# Allegro board BRD-05058-01_B04.brd (continued)
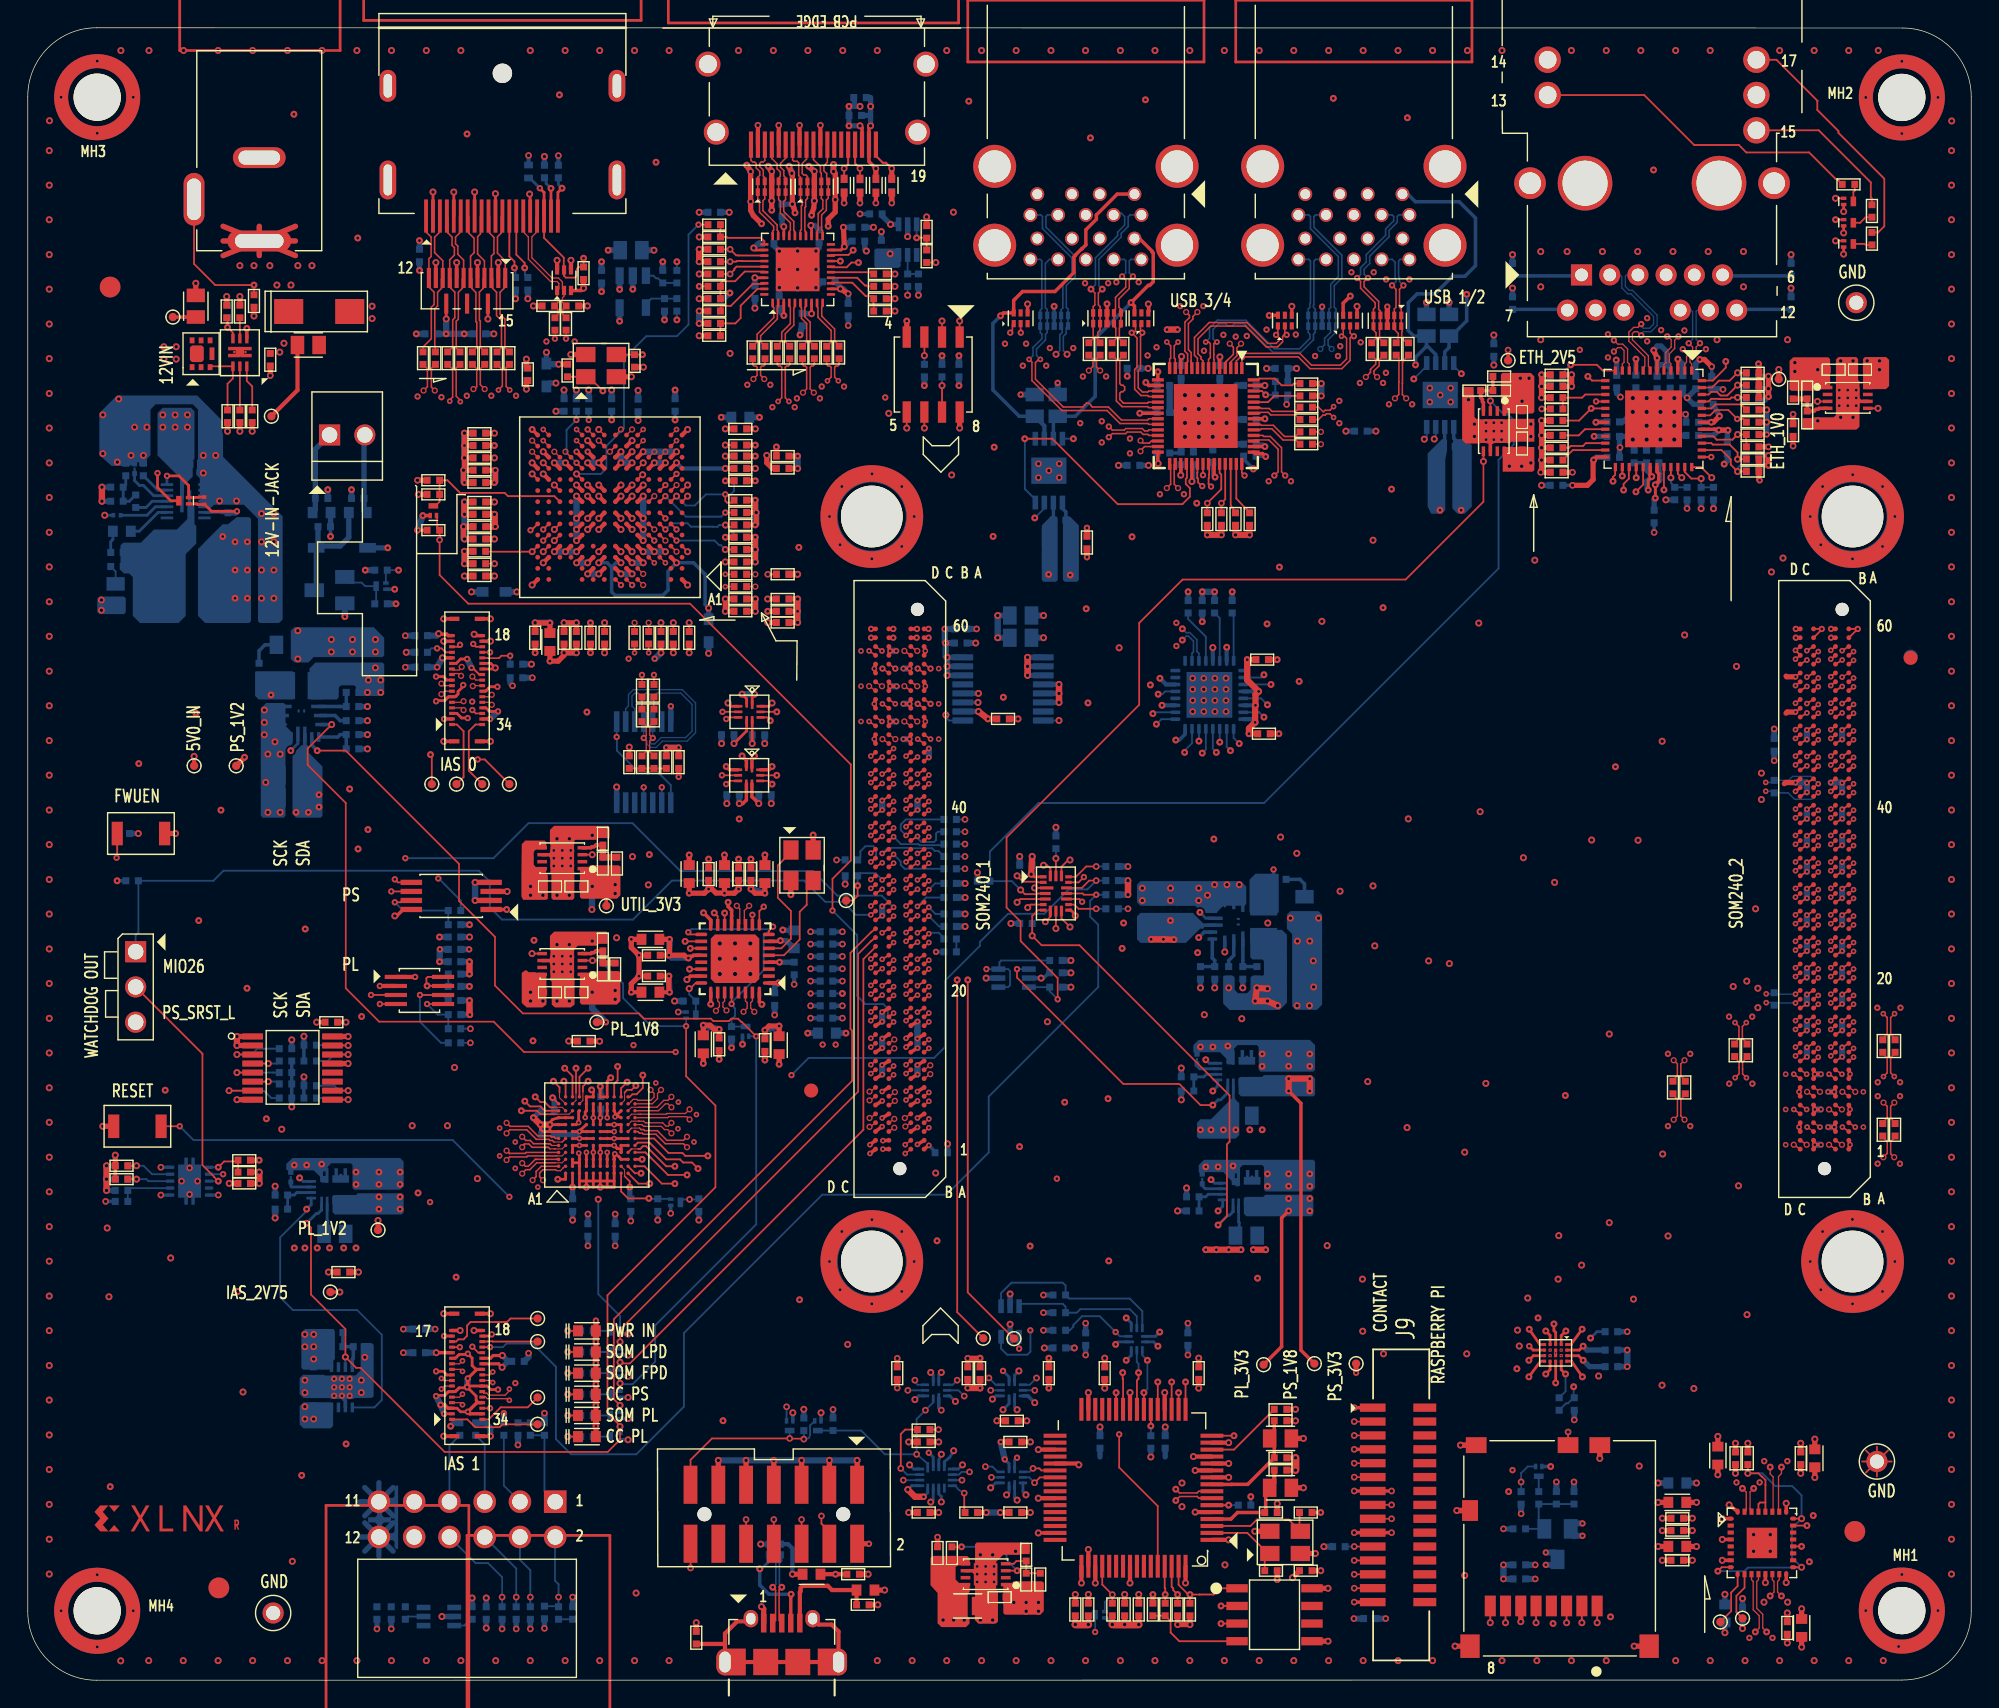
[diagram p0: board, top side]
## Copper pours and planes (outline as drawn; the poured copper is in the pictures) (continued)
(no net) on BOTTOM: 73.05,83.17 73.68,83.8 74.06,83.8 74.19,83.68 74.19,79.23 74.06,79.1 73.18,79.1 73.05,79.23
(no net) on BOTTOM: 19.58,19.74 19.86,20.01 21.81,20.01 21.99,19.83 21.99,19.19 22,18.31 21.82,18.13 19.86,18.13 19.58,18.41
(no net) on BOTTOM: 19.84,22 21.35,22 21.4,21.94 23.6,21.94 23.98,22.33 23.98,24.23 24.03,24.28 24.78,24.28 24.92,24.14 24.92,20.46 24.79,20.33 23.52,20.32 23.44,20.24 21.84,20.24 21.77,20.32 19.86,20.32 19.58,20.6 19.58,21.77
(no net) on BOTTOM: 75.08,83.8 74.7,83.8 74.57,83.68 74.57,79.23 74.7,79.1 75.59,79.1 75.72,79.23 75.72,83.17
(no net) on BOTTOM: 11.5,83.63 11.5,84.77 11.63,84.9 12.01,84.52 12.01,83.25 12.14,83.12 12.14,81.85 11.38,81.09 11.38,76.65 10.87,76.14 8.08,76.14 7.57,76.65 7.57,79.44 7.31,79.69 6.93,79.69 6.68,79.95 6.68,81.73 6.87,81.92 8.14,81.92 9.09,82.87 10.74,82.87
(no net) on BOTTOM: 88.06,53.96 88.14,54.04 90.35,54.04 90.71,53.68 90.71,48.79 90.19,48.27 86.57,48.27 86.11,48.73 86.11,50.68 86.17,50.74 86.82,50.74 86.94,50.61 86.94,49.72 87.2,49.47 87.83,49.47 88.09,49.72 88.09,50.61 88.21,50.74 88.97,50.74 89.05,50.81 89.05,51.78 88.93,51.9 88.22,51.9 88.06,52.06
(no net) on BOTTOM: 19.07,70.63 16.64,70.63 16.38,70.88 16.38,72.61 16.43,72.66 19.07,72.66 19.13,72.6 19.13,70.67
(no net) on BOTTOM: 91.08,53.74 91.08,48.53 91.34,48.27 92.86,48.27 93.24,48.66 93.24,55.13 92.99,55.39 90.96,55.39 90.7,55.13 90.7,54.12
(no net) on BOTTOM: 100.85,84.51 100.85,88.34 101.88,89.38 102.24,89.33 102.24,88.57 102.12,87.94 102.12,87.94 102.12,84.25 101.86,84 101.1,84
(no net) on BOTTOM: 86.89,44.34 86.51,44.34 86.38,44.46 86.38,44.72 85.88,45.23 84.43,45.23 84.43,44.97 83.97,44.97 83.97,45.73 84.35,46.12 92.35,46.12 92.73,45.73 92.73,43.96 92.61,43.83 88.8,43.83 88.67,43.96 88.67,45.61 88.54,45.73 87.15,45.73 86.89,45.48
(no net) on BOTTOM: 104.02,88.95 103.47,89.38 102.89,89.38 102.62,89.11 102.62,84.38 103,84 103.51,84 104.02,84.51
(no net) on BOTTOM: 22.02,34.94 23.64,34.94 23.77,35.07 26.95,35.07 27.07,34.94 27.07,33.67 26.95,33.54 22.12,33.54 21.95,33.72 21.95,34.86
(no net) on BOTTOM: 20.37,70.62 20.3,70.7 20.3,72.86 20.4,72.96 20.72,73.29 25.55,73.29 25.68,73.17 25.68,71.01 25.55,70.88 23.65,70.88 23.65,71.52 23.52,71.64 22.56,71.64 22.41,71.49 22.41,70.78 22.25,70.62
(no net) on BOTTOM: 17.17,70.37 16.79,69.99 16.79,62.24 16.91,62.12 18.44,62.12 18.57,62.24 18.57,66.94 19.07,67.45 19.07,68.21 18.57,68.72 18.57,70.25 18.44,70.37
(no net) on BOTTOM: 22.12,25.16 21.99,25.29 19.96,25.29 19.71,25.03 19.71,22.49 19.84,22.37 21.99,22.37 22.12,22.49
(no net) on BOTTOM: 61.11,103.11 62.76,103.11 62.89,102.98 62.89,101.84 62.76,101.71 61.11,101.71 60.98,101.84 60.98,102.98
(no net) on BOTTOM: 88.09,55.26 88.01,55.33 88.01,57.65 88.44,58.08 90.07,58.08 90.12,58.03 90.12,55.33 90.07,55.26
(no net) on BOTTOM: 18.36,76.39 18.11,76.14 16.71,76.14 16.58,76.27 16.58,83.63 15.57,84.65 13.41,84.65 13.16,84.39 12.39,84.39 12.39,86.55 12.14,86.81 12.14,87.82 12.27,87.95 12.27,91.51 11.89,91.89 9.22,91.89 8.84,91.51 8.84,88.2 8.58,87.95 8.58,87.44 6.04,87.44 5.15,88.23 5.15,91.25 6.42,92.52 12.19,92.52 14.07,90.65 14.07,88.11 18.36,83.81
(no net) on BOTTOM: 16.08,83.63 15.95,83.76 15.06,83.76 14.43,83.25 14.04,83.25 12.27,81.47 12.27,76.65 12.77,76.14 15.95,76.14 16.08,76.27
(no net) on BOTTOM: 87.71,34.81 89,34.81 89.16,34.96 92.46,34.96 92.61,34.81 92.61,33.54 92.48,33.41 87.78,33.41 87.61,33.59 87.61,34.71
(no net) on BOTTOM: 87.78,57.16 87.4,57.55 80.16,57.55 79.91,57.29 79.91,56.02 80.16,55.77 84.1,55.77 84.61,55.26 85.62,55.26 86.13,55.77 87.65,55.77 87.78,55.89
(no net) on BOTTOM: 87.27,35.57 86.82,35.57 86.74,35.62 86.74,35.94 86.12,36.59 84.73,36.59 84.73,36.34 84.48,36.34 84.43,36.51 84.35,36.59 84.35,37.1 84.73,37.48 92.61,37.48 92.73,37.35 92.73,35.45 92.48,35.19 89.18,35.19 89.05,35.32 89.05,36.97 88.92,37.1 87.53,37.1 87.33,36.89 87.33,35.62 ; 1 cut-out
(no net) on BOTTOM: 87.27,41.54 87.27,39.26 87.02,39 84.35,39 84.22,39.13 84.22,40.15 84.48,40.4 85.24,40.4 86.89,42.05 87.02,41.8
(no net) on L05_SIG: 51.79,101.03 52.95,102.19 57.24,102.19 58.57,103.52 59.97,103.52 60.86,102.63 60.86,100.95 61.11,100.69 62.38,100.69 63.4,101.71 63.4,110.22 62.51,111.11 62.51,114.16 62.38,114.28 48.28,114.28 48.16,114.16 48.16,107.08 47.52,106.44 47.52,101.23 47.78,100.98 48.16,100.98 48.2,101.03
DP_3V3 on L12_SIG: 37.09,107.75 37.35,108 39.25,108 42.43,104.83 42.43,101.91 43.06,101.27 43.06,99.49 41.92,98.35 40.01,98.35 37.09,101.27
ETH_1V0 on TOP (solid shape): 129.84,95.14 129.84,92.98 129.83,92.97 129.31,92.97 129.18,92.94 129.09,92.85 127.04,92.85 126.92,92.98 126.92,95.01 127.17,95.26 129.71,95.26
ETH_1V0 on L10_SIG: 130.09,87.55 125.65,83.1 107.23,83.1 106.6,83.74 106.6,93.9 107.87,95.17 107.87,97.07 108.51,97.71 122.42,97.71 123.96,96.17 128.46,96.17 130.09,94.53
ETH_2V5 on TOP (solid shape): 108.53,93.89 108.53,91.35 108.41,91.22 106.25,91.22 106.24,91.23 106.24,91.75 106.21,91.87 106.12,91.97 106.12,94.01 106.25,94.14 108.28,94.14
ETH_2V5 on L05_SIG: 119.66,91.68 105.93,91.63 104.92,92.89 104.93,95.9 106.04,97.01 125.93,97.01 127.02,95.92 127.02,92.44 126.26,91.68
HDMI_5V0 on BOTTOM (solid shape): 62.85,103.01 62.85,102.14 62.86,102.07 62.89,101.99 62.89,101.84 62.76,101.71 61.11,101.71 60.98,101.84 60.98,102.98 61.11,103.11 62.76,103.11
HDMI_5V0 on L05_SIG (solid shape): outline of 2401 points within 47.52,100.69 63.4,114.28
IAS_2V75 on BOTTOM (solid shape): 22.12,25.16 22.12,23.11 22.03,23.02 22,22.9 22,22.37 21.99,22.37 19.84,22.37 19.71,22.49 19.71,25.03 19.96,25.29 21.99,25.29
IAS_2V75 on L10_SIG: 34.04,38.79 34.04,23.68 32.65,22.28 18.17,22.28 16.9,23.55 16.9,36.12 21.34,40.57 21.34,47.42 20.45,48.31 18.17,48.31 16.9,49.58 16.9,68.13 25.11,76.34 32.7,76.34 33.4,75.64 33.49,75.64 33.49,68.07 24.26,58.85 24.26,53.01 29.76,47.51 29.76,43.07
Net_46 on TOP (solid shape): 13.43,11.88 13.84,12.59 14.1,12.59 13.56,11.68 14.14,10.72 13.88,10.72 13.43,11.48 12.99,10.72 12.74,10.72 13.31,11.68 12.77,12.59 13.03,12.59
Net_47 on TOP (solid shape): 9.71,10.92 10.48,10.92 10.48,10.72 9.49,10.72 9.49,12.59 9.71,12.59
Net_49 on TOP (solid shape): 12.37,11.15 12.37,12.59 12.6,12.59 12.6,10.72 12.39,10.72 11.43,12.16 11.43,10.72 11.21,10.72 11.21,12.59 11.41,12.59
Net_51 on TOP (solid shape): 8.11,11.88 8.51,12.59 8.77,12.59 8.23,11.68 8.81,10.72 8.55,10.72 8.11,11.48 7.67,10.72 7.41,10.72 7.99,11.68 7.45,12.59 7.71,12.59
Net_52 on TOP (solid shape): 5.41,12.12 5.81,11.65 5.41,11.18 5.81,10.72 5.22,10.72 4.81,11.18 5.22,11.65 4.81,12.12 5.22,12.59 5.81,12.59
PL_1V2 on BOTTOM (solid shape): 27.07,34.94 27.07,33.67 26.95,33.54 22.12,33.54 21.95,33.72 21.95,34.86 22.02,34.94 23.64,34.94 23.77,35.07 26.95,35.07
PL_1V2 on BOTTOM: 41.79,42.34 41.79,41.2 42.17,40.82 43.31,40.82 43.44,40.95 43.44,41.71 42.68,42.47 41.92,42.47
PL_1V2 on BOTTOM: 39.12,39.8 36.71,39.8 36.58,39.68 36.58,38.92 37.35,38.15 39.76,38.15 39.89,38.03 39.89,37.77 40.01,37.65 41.92,37.65 42.04,37.77 42.04,37.9 42.17,38.03 42.55,38.03 42.68,38.15 42.68,40.19 42.55,40.31 42.3,40.31 42.17,40.44 42.17,40.82 42.3,40.95 43.44,40.95 44.08,40.31 44.08,38.28 42.81,37.01 42.81,33.84 42.55,33.33 40.14,33.33 39.89,33.58 39.89,35.23 39.76,35.49 39.76,35.74 38.49,37.01 36.96,37.01 35.57,38.41 35.57,39.55 35.31,39.8 35.31,40.19 35.95,40.82 36.58,40.82 36.96,40.44 38.23,40.44 39.38,41.58 39.38,42.34 39.76,42.73 40.52,42.73 41.41,43.61 42.43,43.61 42.68,43.36 42.68,42.47 42.55,42.34 41.03,42.34 40.9,42.22 40.9,41.33 40.39,40.82 40.39,40.44 40.27,40.31 40.01,40.31 39.89,40.44 39.5,40.44 39.25,40.19 39.25,39.93
PL_1V2 on L05_SIG: 28.98,73.67 34.06,73.67 35.96,71.77 35.96,67.96 37.47,66.45 37.47,48.57 39.38,46.66 42.55,46.66 45.09,44.12 45.09,32.69 35.57,23.17 35.57,21.75 34.21,20.39 33.37,20.39 32.39,19.41 32.39,18.09 31.76,17.45 28.58,17.45 27.31,16.18 27.31,10.47 28.98,8.9 72.1,8.9 83.19,19.99 116.21,19.99 118.75,21.9 118.75,67.43 120.35,69.02 133.86,69.02 138.44,64.44 138.44,20.33 138.22,20.33 138.44,20.12 138.44,9.83 130.18,1.58 10.17,1.58 1.91,9.83 1.91,68.25 6.36,72.7 27.95,72.7 ; 2 cut-outs
PL_1V2 on L08_PWR: 51.44,39.04 64.78,39.04 66.68,37.14 66.68,30.14 59.07,22.53 45.73,22.53 45.09,21.9 33.03,21.9 32.39,22.53 32.39,26.34 31.76,26.98 26.68,26.98 26.07,27.75 26.04,32.69 24.53,34.3 24.53,34.94 24.77,35.23 24.77,37.77 26.04,39.04 29.24,39.04 36.2,32.07 36.2,32.06 36.84,31.42 47,31.42 47.63,32.06 47.63,35.23 ; 1 cut-out
PL_1V8 on TOP (solid shape): 42.7,50.94 42.7,48.91 42.44,48.66 39.9,48.66 39.77,48.78 39.77,50.94 39.78,50.95 40.3,50.95 40.43,50.98 40.52,51.07 42.57,51.07
PL_1V8 on L07_PWR: 37.47,60.63 43.19,54.92 43.23,54.66 43.57,54.31 43.57,48.69 41.92,47.04 34.93,47.04 33.03,48.95 33.03,55.17 24.65,63.55 24.65,72.44 26.8,74.6 36.84,74.6 37.47,73.97
PL_1V8 on L08_PWR: 75.57,58.09 76.21,58.73 79.38,58.73 80.02,58.09 80.02,30.15 81.92,28.25 118.22,28.25 126.37,19.99 137.17,19.99 138.44,18.72 138.44,9.83 130.18,1.57 27.22,1.57 26.08,2.71 26.08,25.75 26.68,26.34 31.12,26.34 31.76,25.71 31.76,21.9 32.39,21.26 45.73,21.26 46.36,21.9 59.72,21.9 67.32,29.5 67.32,38.41 66.05,39.68 50.81,39.68 47,35.87 47,32.69 46.36,32.06 37.47,32.06 36.84,32.69 36.84,32.67 29.83,39.68 19.06,39.68 18.42,40.31 18.42,49.2 19.06,49.84 34.3,49.84 34.93,49.2 34.93,47.93 35.57,47.3 39.38,47.3 40.01,47.93 40.01,54.28 40.65,54.92 59.06,54.92 59.7,54.28 59.7,48.57 60.33,47.93 74.94,47.93 75.57,48.57
PL_3V3 on BOTTOM (solid shape): 92.61,34.81 92.61,33.54 92.48,33.41 87.78,33.41 87.61,33.59 87.61,34.71 87.71,34.81 89,34.81 89.16,34.96 92.46,34.96
PL_3V3 on BOTTOM: 31.5,5.26 31.5,5.64 31.63,5.77 33.28,5.77 33.41,5.9 33.41,6.91 33.15,7.17 30.49,7.17 29.98,6.78 29.98,5.26 30.23,5.01 31.25,5.01
PL_3V3 on L10_SIG: 117.39,78.66 137.08,78.66 138.35,77.39 138.35,10.71 129.08,1.44 11.1,1.44 1.82,10.71 1.82,47.54 20.24,47.54 20.87,46.91 20.87,42.46 16.43,38.02 16.43,22.78 17.7,21.51 32.94,21.51 36.11,18.33 36.11,17.06 36.58,16.54 37.58,15.55 45.09,15.55 46.36,16.82 46.36,32.69 47,33.33 50.17,33.33 53.98,29.52 53.98,13.64 58.53,9.2 60.33,9.2 63.51,6.02 67.42,6.02 69.96,3.48 73.09,3.48 74.06,4.46 81.05,4.46 82,3.51 85.81,3.51 86.28,3.73 93.26,3.73 94.53,5 94.53,10.71 95.17,11.35 104.06,11.35 104.56,10.71 104.53,9.2 106.69,7.04 122.82,7.04 124.85,9.07 124.85,27.23 118.75,33.33 84.46,33.33 79.76,38.03 79.76,40.67 77.84,42.6 63,42.6 62.49,43.11 62.49,46.54 63,47.04 95.13,47.04 105.96,46.91 116.76,57.07 116.76,78.02 ; 2 cut-outs
PL_3V3 on L10_SIG: 1.82,43.73 1.82,108.38 10.21,116.76 129.46,116.76 138.35,107.87 138.35,77.39 136.44,75.48 118.03,75.48 118.03,53.89 109.14,45 74.85,45 74.21,45.64 74.21,46.91 93.26,65.96 93.26,86.28 72.94,106.6 34.21,106.6 29.76,102.15 29.76,86.28 32.3,83.74 32.3,79.29 30.4,77.39 24.05,77.39 15.79,69.13 15.79,48.18 17.7,46.27 17.7,43.73 ; 1 cut-out
PMOD_3V3 on BOTTOM (solid shape): 25.53,11.86 25.66,11.74 26.17,11.74 26.17,11.36 25.66,11.36 25.53,11.23 25.53,10.98 25.15,10.98 25.15,11.23 25.03,11.36 24.52,11.36 24.52,11.74 25.03,11.74 25.15,11.86 25.15,12.12 25.53,12.12
PMOD_3V3 on BOTTOM (solid shape): 26.68,9.45 26.55,9.45 26.42,9.58 26.42,9.96 26.3,10.09 26.04,10.09 26.04,10.59 26.3,10.59 26.42,10.72 26.42,12.5 26.3,12.63 26.04,12.63 26.04,13.13 26.3,13.13 26.42,13.26 26.42,13.9 26.55,14.02 26.68,14.02
PMOD_3V3 on BOTTOM: 29.22,5.26 28.96,5.01 24.01,5.01 22.99,6.02 22.99,14.15 23.38,14.53 26.17,14.53 26.68,14.02 26.68,8.82 27.06,8.44 27.57,8.44 29.22,6.78
PS_1V2 on BOTTOM (solid shape): 25.68,73.17 25.68,71.01 25.55,70.88 23.65,70.88 23.65,71.52 23.52,71.64 23.19,71.64 22.69,71.64 22.56,71.64 22.41,71.49 22.41,70.78 22.25,70.62 20.37,70.62 20.3,70.7 20.3,72.86 20.4,72.96 20.72,73.29 25.55,73.29
PS_1V2 on TOP: 24.79,73.3 24.61,73.3 22.96,71.65 22.96,68.73 23.85,67.84 25.91,67.84 26.57,68.5 26.57,73.53 26.14,73.96 25.45,73.96
PS_1V2 on L08_PWR: 92.72,83.49 68.59,83.49 60.33,75.24 36.2,75.24 33.66,72.7 31.76,72.7 27.31,68.25 17.8,68.25 15.88,70.17 15.88,87.3 26.31,97.73 50.54,97.73 52.08,96.19 72.77,96.2 73.79,95.19 75.19,95.19 76.2,96.2 86.12,96.19 89.66,92.65 94.99,92.65 95.26,92.38 95.26,86.03 ; 1 cut-out
PS_1V2_SW on BOTTOM (solid shape): 19.13,72.6 19.13,70.67 19.07,70.63 16.64,70.63 16.38,70.88 16.38,72.61 16.43,72.66 19.07,72.66
PS_1V8 on BOTTOM (solid shape): 92.74,43.32 92.74,42.18 92.61,42.05 87.4,42.05 87.23,42.23 87.23,43.34 87.33,43.45 88.92,43.45 89.05,43.58 92.48,43.58
PS_1V8 on L07_PWR: outline of 86 points within 1.91,8.56 128.67,95.24 ; 2 cut-outs
PS_3V3 on TOP (solid shape): 108.53,87.16 108.41,87.03 106.25,87.03 106.25,88.68 106.37,88.81 108.53,88.81
PS_3V3 on TOP (solid shape): 134.09,95.08 134.09,93.2 133.86,92.98 132.38,92.98 132.25,93.11 132.21,93.2 132.21,95.16 132.34,95.29 133.88,95.29
PS_3V3 on BOTTOM (solid shape): 90.71,53.68 90.71,48.79 90.19,48.27 86.57,48.27 86.11,48.73 86.11,50.68 86.17,50.74 86.82,50.74 86.94,50.61 86.94,49.72 87.2,49.47 87.83,49.47 88.09,49.72 88.09,50.61 88.21,50.74 88.97,50.74 89.05,50.81 89.05,51.14 89.05,51.64 89.05,51.78 88.93,51.9 88.22,51.9 88.06,52.06 88.06,53.96 88.14,54.04 90.35,54.04
PS_3V3 on TOP: 107.36,13.25 107.36,11.86 107.49,11.73 109.27,11.73 111.55,9.44 112.95,9.44 113.33,9.83 113.33,13.25 111.81,14.78 108.89,14.78
PS_3V3 on BOTTOM: 51.33,57.23 47.14,57.23 46.43,56.51 46.43,55.75 47.17,55.02 48.89,55.02 49.4,55.52 50.37,55.52 50.57,55.73 50.57,56.29 50.9,56.62 51.33,56.62 51.46,56.74 51.46,57.1
PS_3V3 on L07_PWR: 40.44,117.15 130.18,117.15 138.44,108.89 138.44,9.83 130.18,1.58 67.95,1.58 66.05,3.48 66.05,14.91 71.76,20.63 74.3,20.63 76.84,23.17 116.21,23.17 116.85,23.8 116.85,26.34 121.29,30.79 121.29,79.05 129.29,87.3 129.29,90.48 128.02,91.75 128.02,94.8 126.63,96.19 109.23,96.19 105.42,92.38 105.42,89.21 106.05,88.57 107.83,88.57 108.47,87.94 108.47,85.52 107.32,84.13 92.46,84.13 90.05,81.71 82.81,81.71 81.67,82.86 75.32,82.86 74.94,82.48 74.94,80.32 73.03,78.41 60.33,78.41 58.43,76.51 58.43,72.7 57.79,72.06 53.35,72.06 51.44,70.16 51.44,68.51 51.19,68.25 51.19,66.35 51.82,65.84 51.82,62.92 51.7,62.79 51.7,61.39 53.73,59.36 74.68,59.36 76.59,61.27 85.1,61.27 90.81,55.55 90.81,48.57 89.54,47.3 71,47.3 66.3,42.6 50.81,42.6 47.89,45.52 47.89,46.92 48.9,47.93 48.94,48.31 48.94,51.74 47.33,53.27 45.22,53.27 44.46,54.03 44.46,54.92 38.74,60.63 38.74,74.6 37.76,75.87 31.12,75.87 29.85,77.14 29.85,84.13 29.22,84.76 27.31,84.76 26.84,85.23 26.84,103.55 ; 3 cut-outs
PS_3V3 on L10_SIG: 37.21,48.77 37.21,48.39 36.2,47.37 32,47.37 31.5,47.88 31.5,49.78 27.81,53.47 26.8,53.47 25.91,54.36 25.91,57.15 34.67,65.91 35.43,65.91 38.35,68.83 45.97,68.83 46.74,68.07 46.74,67.31 39.37,59.94 39.37,50.93
PS_3V3_SW on BOTTOM (solid shape): 89.58,58.07 89.66,58.04 89.74,58.03 89.83,58.04 89.91,58.07 89.92,58.08 90.07,58.08 90.12,58.03 90.12,55.33 90.07,55.26 88.09,55.26 88.01,55.33 88.01,57.65 88.44,58.08 89.56,58.08
SDIO_VDD on TOP: 110.12,4.75 110.12,9.07 107.7,11.48 105.93,11.48 105.54,11.1 105.54,10.09 106.43,9.2 107.45,9.2 107.96,8.69 107.96,7.17 108.34,6.78 108.97,6.78 109.35,6.4 109.35,4.75
SOM_5V0 on L07_PWR: 60.33,77.65 59.44,76.76 59.44,73.33 60.97,71.81 71.51,71.81 72.16,72.4 72.16,76.68 71.33,77.65
STDP4320_AVDD12_OSC on L08_PWR: 32.79,92.72 35.96,92.72 37.23,93.99 38.5,93.99 40.41,92.09 44.22,92.09 44.22,87.01 35.33,87.01 35.33,88.91 32.79,88.91
USB_JTAG_FLTR on TOP (solid shape): 67.86,8.78 67.86,8.27 66.97,8.27 66.84,8.14 66.84,7.25 67.1,7 67.73,7 67.86,6.87 67.86,6.36 67.73,6.24 67.71,6.24 67.71,4.59 67.84,4.46 67.84,4.08 67.59,3.82 65.81,3.82 65.54,4.09 65.54,6.28 65.03,6.84 65.03,8.82 65.16,8.94 67.69,8.94
USB_JTAG_FLTR on L08_PWR: 67.7,12.25 62.11,12.25 60.71,10.85 57.79,10.85 56.27,9.32 56.27,7.67 57.03,6.91 63.25,6.91 63.89,6.28 63.89,5.13 65.29,3.74 67.32,3.74 67.7,4.12
USB_JTAG_VBUS on L12_SIG: 52.6,4.33 61.24,4.33 62,5.09 62,7 61.36,7.63 61.36,7.89 60.86,8.4 59.33,8.4 59.27,8.33 59.21,8.4 53.87,8.4 52.47,7 52.47,4.46
USB_JTAG_VCORE on BOTTOM: 75.52,16.4 76.3,16.4 76.91,17.01 79.32,17.01 80.59,15.74 81.17,15.74 81.38,15.95 81.38,16.56 81.42,16.59 81.42,16.75 81.68,17.01 82.62,17.01 82.93,16.71 84.44,16.71 84.76,16.4 86.89,16.4 87.53,15.76 87.53,13.83 86.79,13.09 84.15,13.09 83.92,12.86 83.92,6.77 83.7,6.54 80.97,6.54 80.29,5.86 74.88,5.86 74.32,6.41 74.32,15.2
USB_PWRD_VCCIO on TOP (solid shape): 73.19,7 73.19,4.97 72.94,4.71 70.4,4.71 70.27,4.84 70.27,7 70.28,7.01 70.8,7.01 70.92,7.04 71.02,7.13 73.06,7.13
USB_PWRD_VCCIO on L10_SIG: 93.75,5.73 93.75,19.06 92.48,20.33 86.76,20.33 84.86,22.24 84.86,24.8 81.54,28.12 71.69,28.12 68.67,25.1 63.51,25.07 60.33,21.9 57.21,21.9 54.62,19.3 54.62,14.28 59.06,9.83 60.97,9.83 64.14,6.66 67.95,6.66 70.49,4.12 73.03,4.12 74.06,5.09 81.05,5.09 82.32,3.82 85.49,3.82 86.13,4.46 92.48,4.46
UTIL_3V3 on TOP (solid shape): 42.7,58.56 42.7,56.53 42.44,56.28 39.9,56.28 39.77,56.4 39.77,58.56 39.78,58.57 40.3,58.57 40.43,58.6 40.52,58.69 42.57,58.69
UTIL_3V3 on BOTTOM: 120.04,14.53 120.04,13.59 119.3,12.85 119.3,8.58 119.71,8.18 121.18,8.18 121.41,8.41 122.63,8.41 122.96,8.74 122.96,11.23 121.21,12.98 121.21,14.5 120.98,14.73 120.24,14.73
UTIL_3V3 on BOTTOM: 41.48,58.65 40.26,58.65 39.95,58.34 39.95,55.73 40.44,55.24 43.05,55.24 45.01,57.2 45.01,58.22 43.61,59.61 42.44,59.61
UTIL_3V3 on L10_SIG: 54.28,74.21 68.32,74.21 70.32,72.21 70.32,69.42 68.03,67.13 62.08,67.13 61.63,66.69 59.82,65.08 59.82,44.83 62.66,41.92 77.24,41.92 79.13,40.07 79.13,37.77 84.46,32.44 118.37,32.44 123.74,27.07 123.74,8.73 122.56,7.54 107.08,7.54 105.33,9.29 105.33,11.35 104.69,11.98 95.8,11.98 94.53,13.25 94.53,19.6 93.21,20.87 86.86,20.87 85.49,22.24 85.49,24.8 81.67,28.63 70.75,28.63 67.83,25.71 59.06,25.71 50.81,33.96 47,33.96 45.73,32.69 45.73,17.45 44.46,16.18 38.11,16.18 37.22,17.18 37.22,19.23 34.8,21.65 34.8,43.56 37.72,46.48 37.72,48.26 40,50.55 40,59.94 ; 2 cut-outs
UTIL_3V3 on L12_SIG: 25.53,76.58 33.15,76.58 37.97,71.75 37.97,52.96 38.73,52.2 41.78,52.2 46.1,56.51 46.1,67.06 40.13,73.02 38.48,73.02 37.34,74.17 37.34,77.34 36.2,78.49 25.53,78.49 25.02,77.98 25.02,77.09
N1063132 on TOP (solid shape): 51.73,0.34 50.23,0.34 49.8,0.52 49.62,0.96 49.62,1.67 49.8,2.1 50.23,2.28 51.73,2.28
N1063132 on TOP (solid shape): 58.41,2.28 58.84,2.1 59.02,1.67 59.02,0.96 58.84,0.52 58.41,0.34 56.91,0.34 56.91,2.28

Small or netless copper shapes (teardrops, artwork), in the pictures only: 2 on TOP

## Text on the board
BOTTOM: 14 | LAYER 14 BOTTOM
Board Geometry/Soldermask Bottom: 18 | SOLDERMASK BOTTOM
Package Geometry/Pastemask Bottom: 20 | PASTEMASK BOTTOM
Ref Des/Silkscreen Bottom: E115289 | Electrical Safety | N | I | Z | E | D | R | C | O | G | PN 128-05058-01 REV B04 | MET | RoHS | D3C386 | 16 | SILKSCREEN BOTTOM | 10 | HF
User.Comments: MH3 | J1 | R51 | TP3 | C52 | MH4 | SW2 | SW1 | Q5 | R50 | R46 | C50 | U41 | C207 | U18 | TP1 | C204 | J15 | R168 | Q22 | C239 | R269 | 11 | 12 | TP23 | J6 | C74 | J2 | C128 | C258 | C338 | C251 | C330 | C334 | C341 | C335 | C337 | C333 | R138 | R137 | C252 | TP19 | 17 | J8 | U15 | 34 | 18 | 15 | J7 | U9 | C23 | A1 | C43 | U34 | TP24 | U7 | C22 | C42 | C127 | DS1 | DS6 | DS2 | DS3 | DS4 | DS5 | C267 | TP7 | 1 | 2 | R205 | X4 | C41 | R194 | R186 | R178 | R188 | R185 | R187 | R189 | R192 | R193 | R180 | C62 | C69 | J5 | C107 | R176 | J3 | U32 | U17 | C240 | C242 | C247 | C343 | C332 | C260 | C331 | C342 | C244 | R81 | R146 | R141 | R145 | C245 | R151 | C246 | C214 | C213 | C254 | L4 | MH7 | D | X3 | C | MH5 | C80 | R66 | 4 | L5 | C88 | C87 | 5 | R179 | R190 | R181 | R89 | 19 | C81 | U11 | B | 40 | 20 | 60 | C78 | R241 | U31 | C101 | C326 | A | JA1 | 8 | C79 | C325 | X7 | C49 | U19 | U24 | X8 | U46 | C103 | C82 | C85 | R75 | U44 | X5 | C277 | C275 | C316 | R221 | R222 | C315 | C309 | C310 | L3 | C83 | C84 | L2 | X2 | X6 | R15 | U10 | R10 | TP13 | 14 | 13 | 7 | C13 | C146 | C145 | C173 | C172 | R103 | R113 | R114 | R115 | C158 | U38 | U36 | C197 | C202 | C200 | C199 | C198 | R108 | R107 | R106 | R102 | R125 | R104 | R105 | R109 | R116 | TP17 | 6 | J17 | Q4 | Q3 | Q2 | R112 | C16 | MH2 | U12 | C17 | J16 | JA2 | MH1 | MH8 | MH6 | D1 | U16 | U61 | U62 | J4 | U68 | U43 | U67 | J11 | J10 | J12 | C203 | Q21 | TP5 | R265 | C235 | C234 | TP9 | R135 | R133 | C206 | C205 | J13 | C117 | C118 | C119 | C120 | C121 | C122 | TP29 | TP27 | TP28 | C123 | C124 | TP30 | C340 | TP32 | TP33 | TP34 | TP31 | C241 | R206 | C268 | C248 | C215 | C106 | C255 | R38 | C249 | C21 | R199 | R80 | R171 | R23 | C211 | R24 | R85 | C112 | C63 | R173 | R39 | R172 | C216 | R170 | C111 | R83 | R73 | C110 | C227 | C70 | C60 | C226 | C58 | C212 | C59 | C229 | U28 | U30 | U27 | C57 | R174 | C228 | C54 | R169 | C231 | C61 | R155 | C72 | C55 | C67 | C56 | TP37 | U55 | C230 | U58 | C233 | U49 | C232 | C90 | U52 | C89 | R182 | R177 | C91 | R40 | TP38 | C92 | R41 | TP39 | C93 | C44 | R36 | C95 | C301 | C99 | C102 | C305 | C276 | R262 | C302 | C100 | C306 | C97 | R217 | R74 | R216 | R78 | R219 | C105 | R76 | R220 | R77 | U26 | TP21 | TP15 | C104 | C94 | TP11 | C279 | C281 | C280 | C282 | C12 | C15 | C349 | C351 | C347 | U40 | C195 | C345 | TP35 | C190 | TP36 | R240 | C194 | R6 | C164 | C192 | C14 | R17 | C193 | C189 | C350 | C346 | R127 | R124 | C352 | C348 | U50 | U51 | PCB EDGE | RESET | FWUEN | PS_SRST_L | MIO26 | IAS_2V75 | GND | PL_1V2 | PS | PL | IAS 0 | IAS 1 | PWR IN | SOM LPD | SOM FPD | CC PS | SOM PL | CC PL | PL_1V8 | UTIL_3V3 | USB 3/4 | USB 1/2 | ETH_2V5 | WATCHDOG OUT | 12VIN | 5V0_IN | PS_1V2 | 12V-IN-JACK | SCK | SDA | SOM240_1 | PL_3V3 | PS_1V8 | PS_3V3 | CONTACT | RASPBERRY PI | SOM240_2 | ETH_1V0 | J9
TOP: R | 1 | TOP SIDE
Board Geometry/Soldermask Top: 17 | SOLDERMASK TOP
Package Geometry/Pastemask Top: 19 | PASTEMASK TOP
Ref Des/Silkscreen Top: RESET | FWUEN | PS_SRST_L | MIO26 | IAS_2V75 | GND | PL_1V2 | PS | PL | IAS 0 | IAS 1 | PWR IN | SOM LPD | SOM FPD | CC PS | SOM PL | CC PL | PL_1V8 | UTIL_3V3 | USB 3/4 | USB 1/2 | ETH_2V5 | WATCHDOG OUT | 12VIN | 5V0_IN | PS_1V2 | 12V-IN-JACK | SCK | SDA | SOM240_1 | PL_3V3 | PS_1V8 | PS_3V3 | CONTACT | RASPBERRY PI | SOM240_2 | ETH_1V0 | 15 | SILKSCREEN TOP
L02_GND: 2 | LAYER 2 GROUND
L03_SIG: 3 | LAYER 3 SIGNAL
L04_GND: 4 | LAYER 4 GROUND
L05_SIG: LAYER 5 SIGNAL | 5
L06_GND: 6 | LAYER 6 GROUND
L07_PWR: 7 | LAYER 7 POWER
L08_PWR: LAYER 8 POWER | 8
L09_GND: 9 | LAYER 9 GROUND
L10_SIG: LAYER 10 SIGNAL | 10
L11_GND: LAYER 11 GROUND | 11
L12_SIG: 12 | LAYER 12 SIGNAL
L13_GND: 13 | LAYER 13 GROUND
XSECTION_CHART: *  SURFACE - AIR 0 MIL | *  DIELECTRIC - CONFORMAL_COAT 0.8 MIL | L1 TOP CONDUCTOR - 05OZ_CU+PLATING 1.9 MIL | *  DIELECTRIC - P001-EM-828G-1080X1-RC66-PREG-3P21 3.21 MIL | L2 L02_GND PLANE - 05OZ_CU 0.6 MIL | *  DIELECTRIC - C001-EM-828G-2113X1-RC54-CORE-4P0 4 MIL | L3 L03_SIG CONDUCTOR - 05OZ_CU 0.6 MIL | *  DIELECTRIC - P002-EM-828G-2116X1-RC56-PREG-4P77 4.77 MIL | L4 L04_GND PLANE - 05OZ_CU 0.6 MIL | L5 L05_SIG CONDUCTOR - 05OZ_CU 0.6 MIL | L6 L06_GND PLANE - 05OZ_CU 0.6 MIL | *  DIELECTRIC - C002-EM-828G-1067X1-RC68P8-CORE-2P5 2.5 MIL | L7 L07_PWR PLANE - 1OZ_CU 1.2 MIL | *  DIELECTRIC - P003-EM-828G-2113X1-RC59-PREG-3P84 3.72 MIL | L8 L08_PWR PLANE - 1OZ_CU 1.2 MIL | L9 L09_GND PLANE - 05OZ_CU 0.6 MIL | L10 L10_SIG CONDUCTOR - 05OZ_CU 0.6 MIL | L11 L11_GND PLANE - 05OZ_CU 0.6 MIL | L12 L12_SIG CONDUCTOR - 05OZ_CU 0.6 MIL | L13 L13_GND PLANE - 05OZ_CU 0.6 MIL | L14 BOTTOM CONDUCTOR - 05OZ_CU+PLATING 1.9 MIL | DESIGN CROSS SECTION CHART | ___________________________ | TOTAL THICKNESS 64.02 MIL | 1-14 | 1-3 | 12-14
PAGE_OUTLINE: R | ISSUED | DRAWN | CHECKED | ENGRG | REV | 05-12-21 | 04-29-21 | 01-11-21 | 02-16-21 | 08-26-20 | DATE | APPROVED | 04-29-2021 | 08-07-2020 | RYAN HANSON | SCARET | UNLESS OTHERWISE SPECIFIED | SCALE | SIZE | FSCM NO | B01 | B02 | B04 | A01 | B03 | PROTOTYPE | B01 RELEASE | BOM PART NUMBER CORRECTION | B03 RELEASE | B04 RELEASE | DWG NO | NONE | DIMENSIONS ARE IN INCHES | 2 PL DECIMALS +/- .010 | 3 PL DECIMALS +/- .005 | ANGLES + | FRACTIONS + | TOLERANCES ON; | SIGNATURES | DESCRIPTION | SAN JOSE, CA 95124 | 2100 LOGIC DR. | REVISIONS | D
DISPLAY_TOP: ARTWORK, ROHS COMPLIANT, ML STARTER KIT CARRIER CARD | PCB #    128-05058-01  REV B04 | Designed by Xilinx | LAYER: | SHEET     OF 20 | SCAREY | DATE: | PHONE:879 4451 | XILINX DOC USE ONLY | REVISION: B04 | DATAPACK: aa | 05/12/2021
